# KiCad board random ass keyboard.kicad_pcb (continued)
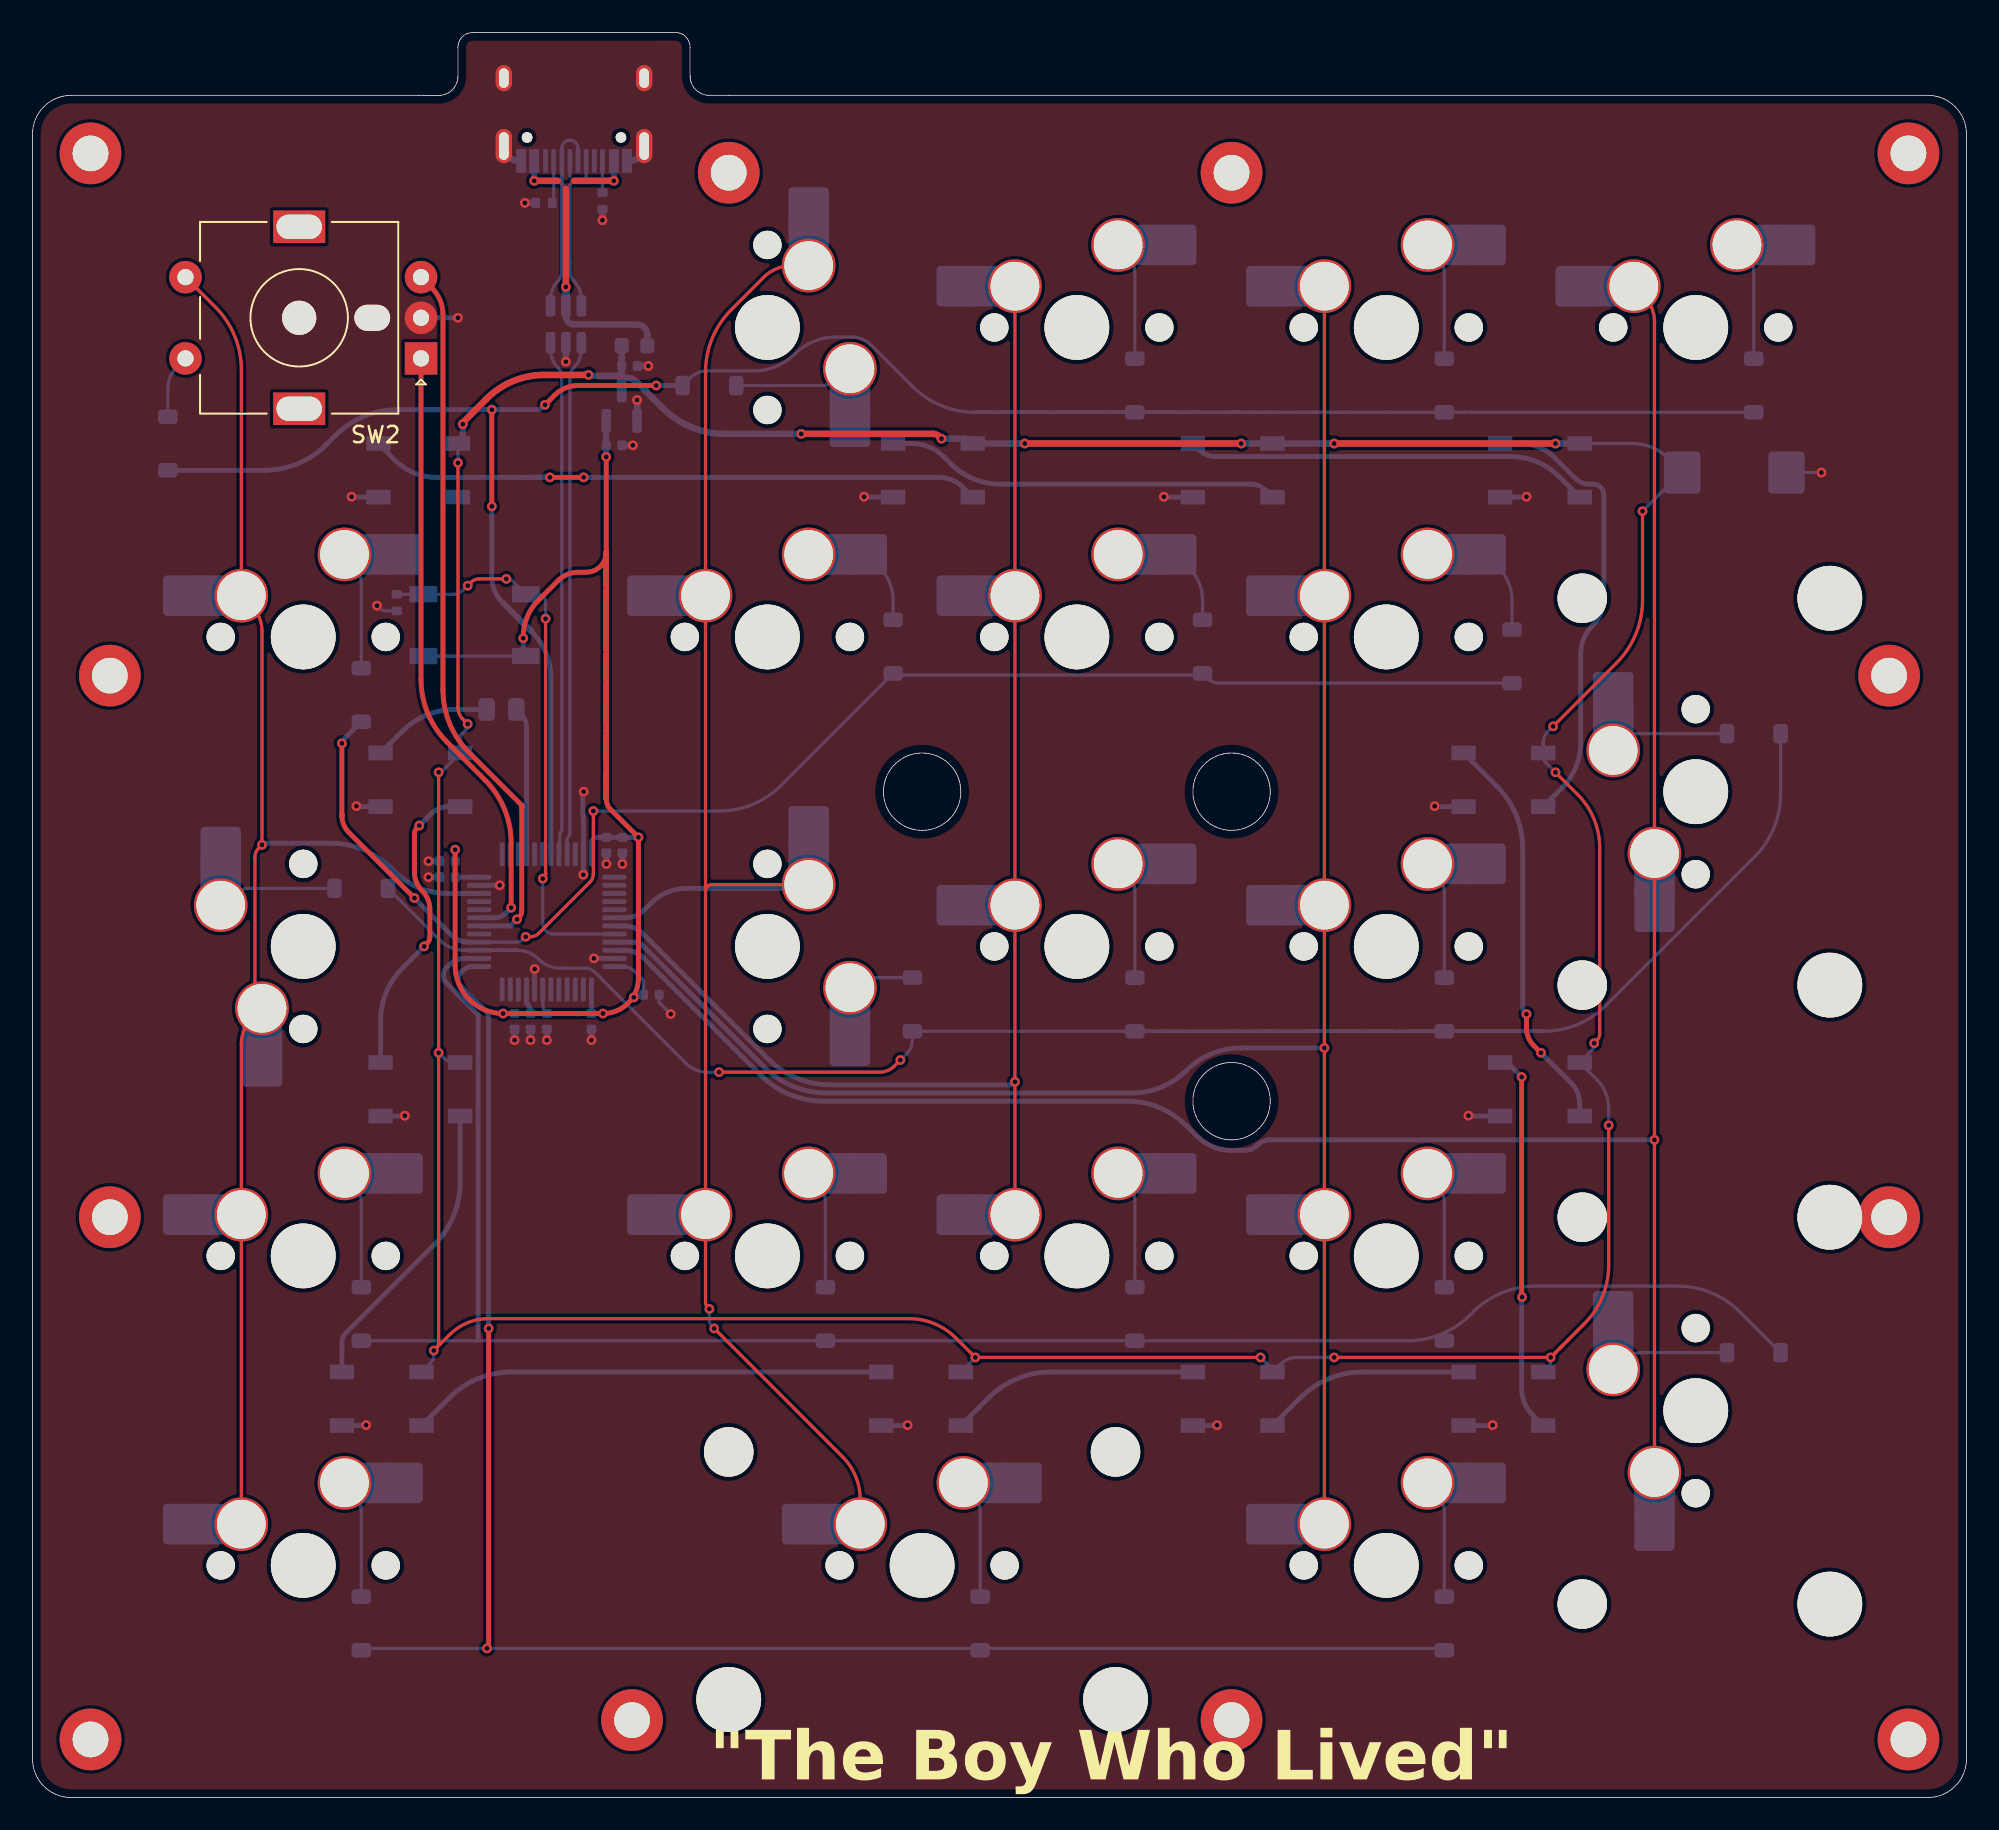
[diagram p0: board, top side]
## Nets
+3.3V: C9.1 C10.2 C11.2 C12.2 C13.2 C14.2 C15.2 C16.2 C17.2 SW1.1 U1.1 U1.9 U1.24 U1.36 U1.48 U3.2
+5V: C1.1 C8.1 D8.1 D18.1 D20.1 D21.1 D26.1 D27.1 D28.1 D29.1 D30.1 D31.1 D32.1 D33.1 F1.2 U3.3
GND: C1.2 C7.2 C8.2 C9.2 C10.1 C11.1 C12.1 C13.1 C14.1 C15.1 C16.1 C17.1 D8.3 D18.3 D20.3 D21.3 D26.3 D27.3 D28.3 D29.3 D30.3 D31.3 D32.3 D33.3 J1.A1 J1.A12 J1.B1 J1.B12 J1.S1 R1.1 R2.2 R3.2 SW2.C U1.8 U1.23 U1.35 U1.47 U3.1 U4.2
VBUS: F1.1 J1.A4 J1.A9 J1.B4 J1.B9 U4.5
/A0: U1.10
/A1: U1.11
/A2: U1.12
/A8: U1.29
/A9: U1.30
/A13: U1.34
/A14: U1.37
/A15: U1.38
/B0: SW2.B U1.18
/B1: SW2.A U1.19
/B2: U1.20
/B3: U1.39
/B4: U1.40
/B5: U1.41
/B10: U1.21
/B12: U1.25
/B13: U1.26
/B14: U1.27
/B15: R4.1 U1.28
/BOOT0: R1.2 SW1.2 U1.44
/C13: U1.2
/C14: U1.3
/C15: U1.4
/col0: S22.1 S23.1 S24.1 S25.1 SW2.S1 U1.22
/col1: S1.1 S5.1 S9.1 S13.1 S17.1 U1.42
/col2: S2.1 S6.1 S10.1 S14.1 U1.43
/col3: S3.1 S7.1 S11.1 S15.1 S19.1 U1.45
/col4: S4.1 S12.1 S16.1 U1.46
/F0: U1.5
/F1: U1.6
/MCU_D+: U1.33 U4.1
/MCU_D-: U1.32 U4.3
/NRST: C7.1 U1.7
/row0: D17.1 D19.1 D25.1 U1.13
/row1: D13.1 D14.1 D15.1 D16.1 D24.1 U1.14
/row2: D9.1 D10.1 D11.1 D12.1 D23.1 U1.15
/row3: D5.1 D6.1 D7.1 D22.1 U1.16
/row4: D1.1 D2.1 D3.1 D4.1 D34.1 U1.31
/USB_D+: J1.A6 J1.B6 U4.6
/USB_D-: J1.A7 J1.B7 U4.4
Net-(D1-A): D1.2 S1.2
Net-(D2-A): D2.2 S2.2
Net-(D3-A): D3.2 S3.2
Net-(D4-A): D4.2 S4.2
Net-(D5-A): D5.2 S5.2
Net-(D6-A): D6.2 S6.2
Net-(D7-A): D7.2 S7.2
Net-(D9-A): D9.2 S9.2
Net-(D10-A): D10.2 S10.2
Net-(D11-A): D11.2 S11.2
Net-(D12-A): D12.2 S12.2
Net-(D13-A): D13.2 S13.2
Net-(D14-A): D14.2 S14.2
Net-(D15-A): D15.2 S15.2
Net-(D16-A): D16.2 S16.2
Net-(D17-A): D17.2 S17.2
Net-(D18-DIN): D8.2 D18.4
Net-(D18-DOUT): D18.2 D20.4
Net-(D19-A): D19.2 S19.2
Net-(D20-DOUT): D20.2 D21.4
Net-(D21-DOUT): D21.2 D26.4
Net-(D22-A): D22.2 S22.2
Net-(D23-A): D23.2 S23.2
Net-(D24-A): D24.2 S24.2
Net-(D25-A): D25.2 S25.2
Net-(D26-DOUT): D26.2 D27.4
Net-(D27-DOUT): D27.2 D33.4
Net-(D28-DIN): D28.4 D29.2
Net-(D28-DOUT): D8.4 D28.2
Net-(D29-DIN): D29.4 D30.2
Net-(D30-DIN): D30.4 R4.2
Net-(D31-DIN): D31.4 D32.2
Net-(D32-DIN): D32.4 D33.2
Net-(D34-A): D34.2 SW2.S2
Net-(J1-CC1): J1.A5 R2.1
Net-(J1-CC2): J1.B5 R3.1

Pads without a net: D31 2; J1 A8 B8; REF** 1; REF**#2 1; REF**#4 1; REF**#5 1; REF**#6 1; REF**#7 1; REF**#8 1; REF**#10 1; REF**#11 1; REF**#12 1; REF**#14 1; REF**#15 1; SW2 MP; U1 17

## Via types
v1: diameter 0.6, hole 0.3, Top to Bottom, 99 vias

## Routing (per net, layer and track width the routed paths; a pad name or vN(x,y) marks a point on that pad's centre or on a via; arc(x,y) is an arc through that point)
+3.3V: length 87.9
  Top w0.3: v1(35.32,82.52) 35.32,76.65 ; 35.32,76.65 35.32,61.46 arc(35.39,61.11) 35.59,60.82 v1(37.3,59.1) 37.3,50.44 arc(36.67,48.9) v1(35.12,48.26) v1(28.97,48.26) arc(26.88,49.12) 26.02,51.21 v1(26.02,58.34) ; 35.32,76.65 arc(34.96,75.78) 34.1,75.42 33.61,75.42 arc(32.93,75.29) 32.35,74.9 31.13,73.68 arc(30.45,72.66) 30.21,71.46 v1(30.21,71.36)
  Bottom w0.2: v1(37.02,49.25) 37.18,49.41 C13.2 37.62,50.29 37.03,50.88 arc(36.73,51.08) 36.37,51.15 U1.48 ; 30.26,70.26 SW1.1
  Bottom w0.3: U1.9 30.41,49.1 arc(30.41,49.06) 30.41,49.03 30.41,49.02 arc(30.42,48.99) 30.42,48.96 30.42,48.96 arc(30.43,48.94) 30.43,48.92 30.43,48.91 arc(30.44,48.9) 30.44,48.88 30.44,48.88 arc(30.45,48.87) 30.45,48.86 30.46,48.85 arc(30.61,48.62) 30.66,48.36 30.66,48.31 arc(30.65,48.27) 30.61,48.26 C15.2 v1(28.97,48.26) ; v1(30.21,71.36) 30.21,70.52 arc(30.23,70.42) 30.29,70.34 arc(30.3,70.29) 30.26,70.26 ; U1.1 C10.2 v1(35.12,48.26) ; U3.2 C9.1 v1(35.32,82.52) ; U1.24 C11.2 C12.2 v1(26.02,58.34) ; U1.36 34.41,58.76 arc(34.51,59) 34.76,59.1 C16.2 C17.2 v1(37.3,59.1) ; 33.57,48.22 arc(33.6,48.23) 33.62,48.24
+5V: length 277.2
  Top w0.2: v1(75.6,27.09) v1(58.04,27.09) 56.85,28.28 arc(55.53,29.16) 53.97,29.47 28.05,29.47 arc(26.77,29.22) 25.69,28.49 v1(24.71,27.51) 24.85,27.66 arc(24.96,27.83) 25,28.02 v1(25,45.84) v1(25,63.1) ; v1(97.03,41.38) 97.03,32.76 arc(96.65,30.82) 95.55,29.17 93.47,27.09 arc(93.46,27.09) 93.46,27.09 v1(93.46,27.09) v1(80.13,27.09) ; v1(96.14,46.44) 96.31,46.61 arc(96.44,46.8) 96.48,47.02 96.48,58.45 arc(96.13,60.23) 95.12,61.74 v1(93.76,63.1) ; v1(26.79,66.08) 26.49,66.38 arc(26.27,66.71) 26.19,67.1 v1(26.19,82.15) ; v1(93.61,65.93) 97.52,69.84 arc(98.7,71.61) 99.12,73.69 v1(99.12,79.18)
  Top w0.4: v1(74.41,83.34) v1(61.08,83.34) ; v1(93.76,83.34) v1(80.13,83.34) ; v1(55.96,83.64) 55.81,83.79 arc(55.65,83.9) 55.45,83.94 v1(47.33,83.94) ; v1(34.23,87.57) 31.5,87.57 arc(29.58,87.18) 27.96,86.1 26.53,84.67 arc(26.5,84.63) 26.49,84.58 v1(26.49,84.53)
  Bottom w0.2: v1(99.12,79.18) 101.48,81.53 arc(101.5,81.55) 101.53,81.56 arc(101.55,81.57) 101.54,81.58 100.67,82.45 arc(99.68,83.11) 98.52,83.34 D27.1 ; v1(25,45.84) 25.34,45.5 arc(25.63,45.31) 25.97,45.24 D29.1 ; v1(93.61,65.93) 93.31,65.63 arc(93.08,65.29) 93.01,64.9 93.01,64.08 arc(93.05,63.87) 93.16,63.7 v1(93.76,63.1) ; v1(26.79,66.08) 26.79,65.95 arc(26.76,65.83) 26.7,65.72 26.31,65.34 arc(26.33,65.3) 26.33,65.25 26.33,64.82 arc(26.23,64.33) 25.96,63.92 25.19,63.15 arc(25.14,63.12) 25.07,63.1 v1(25,63.1) ; D28.1 24.51,26.75 arc(24.65,26.97) 24.71,27.23 v1(24.71,27.51) ; D31.1 v1(26.19,82.15) ; v1(75.6,27.09) 76.28,26.41 arc(76.32,26.35) 76.34,26.27 arc(76.36,26.24) 76.39,26.25 76.78,26.64 arc(77.28,26.97) 77.86,27.09 v1(80.13,27.09) ; D8.1 58.04,27.09 arc(58.04,27.09) v1(58.04,27.09) ; v1(96.14,46.44) 96.14,46.29 arc(96.11,46.15) 96.04,46.03 95.7,45.69 arc(95.51,45.24) 95.7,44.8 96.3,44.2 arc(96.84,43.38) 97.03,42.42 v1(97.03,41.38) ; D20.1 93.31,26.5 arc(93.42,26.67) 93.46,26.87 v1(93.46,27.09)
  Bottom w0.4: 36.27,87.81 36.27,88.11 arc(36.27,88.11) C8.1 arc(36.27,88.12) 36.27,88.12 F1.2 ; 36.27,87.81 36.27,87.21 ; 36.27,87.81 arc(36.18,87.6) 35.97,87.51 ; D31.1 26.34,83.49 arc(26.45,83.66) 26.49,83.85 v1(26.49,84.53) ; 35.97,87.51 34.32,87.51 arc(34.29,87.52) 34.26,87.54 v1(34.23,87.57) ; 35.97,87.51 arc(36.18,87.42) 36.27,87.21 ; 36.27,87.21 36.27,86.61 arc(36.27,86.61) U3.3 ; v1(47.33,83.94) 42.64,83.94 arc(40.55,84.35) 38.79,85.53 37.17,87.15 arc(36.89,87.33) 36.56,87.4 36.2,87.4 ; v1(80.13,83.34) D33.1 v1(74.41,83.34) ; v1(61.08,83.34) 58.09,83.34 arc(57.9,83.38) 57.73,83.49 arc(57.57,83.6) 57.37,83.64 v1(55.96,83.64) ; D27.1 v1(93.76,83.34)
GND: length 50
  Bottom w0.2: v1(21.21,73.36) 21.37,73.2 arc(21.55,73.08) 21.76,73.04 R1.1 ; C13.1 38.58,48.93 v1(39.29,48.22) ; v1(110.13,81.56) C1.2
  Bottom w0.3: v1(19.94,61.02) 19.96,61.01 arc(19.97,61) 19.99,60.99 D30.3 ; v1(69.65,80.07) 69.66,80.06 arc(69.68,80.05) 69.69,80.04 D33.3 ; v1(26.19,91.08) SW2.C ; v1(86.32,61.02) 86.33,61.01 arc(86.35,61) 86.36,60.99 D26.3 ; v1(72.92,22.92) 72.91,22.91 arc(72.9,22.9) 72.88,22.89 D18.3 ; v1(89.89,22.92) 89.88,22.91 arc(89.86,22.9) 89.84,22.89 D20.3 ; D32.3 51.24,80.04 arc(51.22,80.05) 51.21,80.06 v1(51.2,80.07) ; D31.3 19.69,80.04 arc(19.67,80.05) 19.66,80.06 v1(19.65,80.07) ; v1(20.54,22.92) 20.52,22.91 arc(20.51,22.9) 20.49,22.89 D28.3 ; v1(34.56,51.65) U1.47 ; v1(91.97,80.07) 91.96,80.06 arc(91.95,80.05) 91.93,80.04 D27.3 ; v1(33.91,56.8) U1.35 33.91,60.42 33.88,60.45 33.88,61.86 v1(33.93,61.91) ; D29.3 22.87,41.94 arc(22.89,41.95) 22.91,41.96 v1(22.92,41.97) ; v1(53.88,22.92) 53.86,22.91 arc(53.85,22.9) 53.83,22.89 D8.3 ; v1(28.76,56.15) U1.23 ; v1(30.91,51) U1.8 ; v1(88.4,41.97) 88.42,41.96 arc(88.43,41.95) 88.45,41.94 D21.3
  Bottom w0.4: v1(24.38,56.65) C11.1 ; J1.A1 29.93,100.74 arc(29.29,101.01) J1.S1 ; v1(31.66,46.62) C7.2 ; v1(34.41,46.62) C10.1 ; U3.1 37.22,86.02 arc(37.22,86.02) v1(37.22,86.02) ; v1(36.96,83.23) C9.2 ; v1(36.32,57.46) C17.1 ; v1(35.09,97.09) R3.2 ; v1(35.34,57.46) C16.1 ; U4.2 32.84,88.38 v1(32.84,88.38) ; v1(30.31,98.16) R2.2 ; J1.A12 36.74,100.74 arc(37.39,101.01) J1.S1 ; v1(30.66,46.62) C14.1 ; v1(24.38,57.63) C12.1 ; v1(37.91,88.12) C8.2 ; v1(29.68,46.62) C15.1
VBUS: length 20.5
  Top w0.4: v1(32.84,92.98) 32.84,99.01 ; v1(35.79,99.51) 33.34,99.51 ; v1(30.89,99.51) 32.34,99.51
  Bottom w0.4: v1(35.79,99.51) J1.A9 ; F1.1 37.85,90.03 arc(37.66,90.48) 37.21,90.67 33.34,90.68 arc(32.98,90.83) 32.84,91.18 U4.5 32.84,92.19 arc(32.84,92.19) 32.84,92.19 v1(32.84,92.98) ; v1(30.89,99.51) J1.A4
/B0: length 44.4
  Top w0.3: SW2.B 24.59,92.91 arc(25.09,92.16) 25.27,91.28 25.27,68.18 arc(25.68,66.1) 26.86,64.33 30.1,61.09 arc(30.12,61.08) 30.12,61.06 30.12,54.55 arc(30.08,54.36) 29.97,54.2 v1(29.83,54.05)
  Bottom w0.3: v1(29.83,54.05) 29.42,53.65 arc(29.42,53.65) 29.42,53.65 U1.18
/B1: length 37.8
  Top w0.3: SW2.A 23.92,68.82 arc(24.33,66.74) 25.51,64.98 27.87,62.61 arc(29.05,60.85) 29.47,58.77 v1(29.47,54.77)
  Bottom w0.3: U1.19 28.41,54.15 arc(28.82,54.23) 29.16,54.46 v1(29.47,54.77)
/B15: length 9.1
  Bottom w0.3: R4.1 30.1,66.66 arc(30.33,66.31) 30.41,65.9 U1.28
/BOOT0: length 35.1
  Top w0.2: v1(29.17,75.01) 27.51,75.01 arc(27.23,74.96) 27,74.8 v1(26.79,74.59) ; v1(31.59,72.56) 31.59,56.86 arc(31.56,56.75) 31.5,56.65 v1(31.41,56.56)
  Bottom w0.2: SW1.2 29.5,74.92 arc(29.41,74.99) 29.29,75.01 v1(29.17,75.01) ; U1.44 32.09,53.15 arc(31.61,53.35) 31.41,53.83 v1(31.41,56.56) ; R1.2 22.43,74.06 arc(22.43,74.06) 22.43,74.06 25.89,74.06 arc(26.23,74.13) 26.53,74.33 v1(26.79,74.59) ; v1(31.59,72.56) 31.59,73.59 arc(31.55,73.77) 31.45,73.92 arc(31.29,74.03) 31.11,74.06 30.44,74.06 30.52,74.06 arc(30.68,74.03) 30.8,73.95
/col0: length 93.2
  Top w0.2: S25.1 12.86,46.41 arc(13.02,47.24) 13.49,47.94 arc(13.96,48.65) 14.13,49.48 13.91,49.69 arc(13.75,49.94) 13.69,50.22 13.69,57.89 arc(13.75,58.18) 13.91,58.42 v1(14.13,58.64) 14.13,71.81 arc(13.96,72.64) 13.49,73.34 arc(13.02,74.05) 12.86,74.88 12.86,87.89 arc(12.44,89.97) 11.26,91.74 SW2.S1
  Bottom w0.3: U1.22 25.56,55.65 arc(23.77,56.01) 22.25,57.02 22.07,57.2 arc(20.36,58.34) 18.34,58.74 14.31,58.74 arc(14.24,58.73) 14.18,58.69 v1(14.13,58.64)
/col1: length 104
  Top w0.2: 41.43,55.79 S13.1 41.43,30.48 arc(41.46,30.33) 41.55,30.19 v1(41.67,30.07) ; 41.43,55.79 41.43,56.13 ; 41.43,55.79 arc(41.46,55.95) 41.55,56.08 ; S17.1 50.96,18.36 arc(50.68,19.77) 49.88,20.96 v1(41.97,28.87) ; 41.43,56.13 41.43,87.74 arc(41.85,89.82) 43.03,91.59 45.01,93.57 arc(45.82,94.11) 46.76,94.3 S1.1 ; 41.43,56.13 arc(41.48,56.06) 41.55,56.08 ; S9.1 41.84,56.2 arc(41.68,56.17) 41.55,56.08
  Bottom w0.2: v1(41.67,30.07) 41.67,29.38 arc(41.71,29.19) 41.82,29.02 v1(41.97,28.87)
  Bottom w0.3: S9.1 47.66,56.08 arc(47.53,55.99) 47.38,55.96 40.27,55.96 arc(39.09,55.72) 38.09,55.05 37.66,54.63 arc(37.13,54.27) 36.5,54.15 U1.42
/col2: length 85.6
  Top w0.2: S2.1 v1(60.48,44.05) S14.1
  Bottom w0.3: U1.43 36.46,53.65 arc(37.05,53.53) 37.55,53.2 45.29,45.46 arc(47.05,44.28) 49.14,43.87 60.16,43.87 arc(60.28,43.89) 60.39,43.96 v1(60.48,44.05)
/col3: length 124.2
  Top w0.2: S3.1 v1(79.53,46.14) S19.1
  Bottom w0.3: U1.45 36.94,52.65 arc(36.94,52.65) 36.94,52.65 arc(36.94,52.65) 36.94,52.65 37.15,52.65 arc(37.34,52.61) 37.5,52.5 45.05,44.96 arc(46.81,43.78) 48.9,43.36 67.69,43.36 arc(69.5,43.72) 71.04,44.75 arc(72.57,45.78) 74.38,46.14 v1(79.53,46.14)
/col4: length 142.1
  Top w0.2: S16.1 v1(99.85,40.48) S12.1 99.85,90.86 arc(99.69,91.69) 99.22,92.39 S4.1
  Bottom w0.3: U1.46 36.49,52.15 arc(37.1,52.03) 37.61,51.68 44.84,44.46 arc(46.61,43.28) 48.69,42.86 67.38,42.86 arc(69.37,42.47) 71.05,41.35 71.68,40.72 arc(72.66,40.06) 73.82,39.83 74.61,39.83 arc(75.04,39.91) 75.4,40.16 arc(75.76,40.4) 76.19,40.48 v1(99.85,40.48)
/MCU_D+: length 31.7
  Bottom w0.2: U4.1 33.79,89.12 arc(33.67,88.53) 33.34,88.03 arc(33.15,87.76) 33.09,87.43 33.09,81.87 33.09,59.36 arc(33.06,59.25) 33,59.15 arc(32.94,59.05) 32.91,58.94 U1.33
/MCU_D-: length 31.7
  Bottom w0.2: U1.32 32.44,58.09 arc(32.46,58.11) 32.46,58.15 32.46,59.27 arc(32.48,59.36) 32.52,59.43 arc(32.57,59.5) 32.59,59.58 32.59,81.87 32.59,87.43 arc(32.52,87.76) 32.34,88.03 arc(32,88.53) 31.89,89.12 U4.3
/NRST: length 1.5
  Bottom w0.2: U1.7 31.41,48.86 arc(31.48,48.53) C7.1
/row0: length 110.5
  Top w0.3: v1(28.08,28.87) 28.08,9.35 arc(28.07,9.29) 28.03,9.23 v1(27.98,9.18)
  Bottom w0.2: D25.1 20.3,9.12 arc(20.36,9.16) 20.43,9.18 v1(27.98,9.18) 58.15,9.18 arc(58.22,9.16) 58.28,9.12 58.31,9.09 arc(58.34,9.08) 58.37,9.09 58.4,9.12 arc(58.46,9.16) 58.53,9.18 86.72,9.18 arc(86.8,9.16) 86.86,9.12 D19.1
  Bottom w0.3: U1.13 27.12,51.15 arc(26.77,51.08) 26.47,50.88 26.36,50.77 arc(26.24,50.58) 26.19,50.36 arc(26.24,50.14) 26.36,49.95 27.62,48.7 arc(27.62,48.69) 27.63,48.69 arc(27.64,48.69) 27.65,48.69 27.86,48.47 arc(28.02,48.22) 28.08,47.94 v1(28.08,28.87)
/row1: length 115.7
  Bottom w0.2: D24.1 84.66,28.11 arc(86.75,28.53) 88.51,29.71 88.69,29.88 arc(90.45,31.06) 92.53,31.48 101.27,31.48 arc(103.35,31.06) 105.12,29.88 D16.1
  Bottom w0.3: U1.14 26.58,51.65 arc(26.09,51.55) 25.68,51.27 25.51,51.11 arc(25.36,50.88) 25.3,50.6 arc(25.36,50.33) 25.51,50.09 27.41,48.2 arc(27.42,48.19) 27.42,48.19 arc(27.43,48.19) 27.43,48.18 27.43,28.2
/row2: length 102
  Top w0.2: v1(42.27,44.65) 52.16,44.65 arc(52.64,44.75) 53.06,45.02 v1(53.43,45.39)
  Bottom w0.2: D12.1 107.62,61.76 arc(107.2,59.68) 106.02,57.91 96.87,48.76 arc(95.11,47.58) 93.02,47.16 67.87,47.16 arc(67.87,47.17) D10.1 arc(67.87,47.17) 67.86,47.17 54.69,47.17 arc(54.32,47.02) 54.17,46.65 arc(54.08,46.18) 53.81,45.77 v1(53.43,45.39) ; D23.1 25.06,52.79 arc(25.77,52.32) 26.6,52.15 29.83,52.15 arc(30.55,52.01) 31.16,51.6 arc(31.77,51.19) 32.49,51.05 34.02,51.05 arc(34.35,50.98) 34.62,50.8 40.24,45.18 arc(40.83,44.79) 41.52,44.65 v1(42.27,44.65)
/row3: length 90.9
  Top w0.2: v1(30.36,52.98) 30.66,52.98 arc(30.93,53.04) 31.17,53.19 34.32,56.35 arc(34.47,56.58) 34.53,56.85 v1(34.53,60.72)
  Top w0.3: v1(23.51,55.36) 19.47,59.41 arc(19.16,59.87) 19.05,60.42 v1(19.05,64.89)
  Bottom w0.2: v1(34.53,60.72) 42.26,60.72 arc(44.34,61.14) 46.11,62.32 52.96,69.17 arc(52.98,69.18) 53.01,69.17 53.03,69.14 arc(53.09,69.11) 53.15,69.09 71.86,69.09 arc(71.93,69.11) 71.98,69.14 arc(72.03,69.16) 72.08,69.14 72.33,68.89 arc(72.66,68.67) 73.05,68.6 D7.1 ; 26.88,52.65 29.79,52.65 arc(30.01,52.69) 30.19,52.82 v1(30.36,52.98)
  Bottom w0.3: D22.1 19.1,65.07 arc(19.06,65.02) 19.05,64.96 v1(19.05,64.89) ; v1(23.51,55.36) 25.78,53.1 arc(26.28,52.77) 26.86,52.65 26.88,52.65
/row4: length 130.3
  Top w0.3: v1(28.28,79.47) v1(28.28,85.43) ; v1(38.4,86.92) 33.58,86.92 arc(32.81,86.76) 32.15,86.32 v1(31.55,85.72)
  Bottom w0.2: D4.1 58.02,85.27 arc(55.94,85.68) 54.17,86.86 51.62,89.41 arc(51.08,89.77) 50.44,89.9 49.44,89.9 arc(48.08,89.63) 46.93,88.86 arc(45.78,88.09) 44.42,87.82 41.56,87.82 arc(40.97,87.7) 40.47,87.37 D1.1
  Bottom w0.3: D34.1 14.25,81.69 arc(16.34,82.11) 18.1,83.29 18.65,83.83 arc(20.41,85.01) 22.49,85.43 v1(28.28,85.43) 31.04,85.43 arc(31.24,85.47) 31.4,85.58 v1(31.55,85.72) ; U1.31 31.91,68.93 arc(31.61,70.46) 30.74,71.75 28.92,73.57 arc(28.45,74.29) 28.28,75.13 v1(28.28,79.47) ; D1.1 v1(38.4,86.92)
/USB_D+: length 10.5
  Bottom w0.2: 33.34,99.51 33.84,99.51 arc(34.01,99.59) 34.09,99.76 J1.B6 ; 33.09,99.26 33.09,99.26 arc(33.09,99.25) 33.09,99.24 33.09,94.49 arc(33.09,94.48) 33.09,94.48 arc(33.09,94.48) 33.09,94.48 33.09,93.94 arc(33.15,93.61) 33.34,93.33 arc(33.67,92.83) 33.79,92.25 U4.6 ; J1.A6 33.09,99.76
/USB_D-: length 12.2
  Bottom w0.2: U4.4 31.89,92.25 arc(32,92.83) 32.34,93.33 arc(32.52,93.61) 32.59,93.94 J1.B7 32.59,101.51 arc(32.73,101.87) 33.09,102.01 arc(33.44,101.87) 33.59,101.51 J1.A7
Net-(D1-A): length 7.4
  Bottom w0.2: D1.2 48.56,86.92 arc(49.24,87.05) 49.81,87.43 S1.2
Net-(D2-A): length 7.4
  Bottom w0.2: S2.2 67.35,95.05 arc(67.73,94.48) 67.87,93.8 D2.2
Net-(D3-A): length 7.4
  Bottom w0.2: D3.2 86.92,93.8 arc(86.78,94.48) 86.4,95.05 S3.2
Net-(D4-A): length 7.4
  Bottom w0.2: D4.2 105.97,93.8 arc(105.83,94.48) 105.45,95.05 S4.2
Net-(D5-A): length 4.6
  Bottom w0.2: D5.2 52.98,73.7 arc(52.77,74.78) 52.16,75.69 S5.2
Net-(D6-A): length 4.6
  Bottom w0.2: S6.2 71.21,75.69 arc(71.82,74.78) 72.03,73.7 D6.2
Net-(D7-A): length 5.2
  Bottom w0.2: D7.2 91.08,73.7 arc(90.87,74.78) 90.26,75.69 S7.2
Net-(D9-A): length 4.8
  Bottom w0.2: D9.2 51.38,50.47 arc(50.98,50.39) 50.63,50.16 50.63,50.16 arc(50.63,50.16) 50.63,50.16 arc(50.63,50.15) 50.63,50.15 50.63,50.15 arc(50.63,50.15) 50.63,50.15 arc(50.63,50.15) 50.63,50.15 arc(50.63,50.15) 50.63,50.15 arc(50.63,50.15) 50.62,50.15 arc(50.62,50.15) 50.62,50.15 arc(50.62,50.15) 50.62,50.15 arc(50.62,50.15) 50.62,50.15 arc(50.62,50.14) 50.62,50.14 arc(50.62,50.14) 50.62,50.14 arc(50.62,50.14) 50.62,50.14 arc(50.62,50.14) 50.62,50.14 arc(50.62,50.14) 50.62,50.14 arc(50.62,50.14) 50.62,50.14 50.61,50.14 arc(50.61,50.14) 50.61,50.14 50.61,50.14 arc(50.61,50.13) 50.61,50.13 arc(50.61,50.13) 50.61,50.13 50.61,50.13 arc(50.61,50.13) 50.61,50.13 50.61,50.13 arc(50.6,50.13) 50.6,50.13 50.6,50.13 arc(50.6,50.13) 50.6,50.13 50.59,50.11 arc(50.59,50.11) 50.59,50.11 arc(50.59,50.11) 50.59,50.11 arc(50.59,50.11) 50.59,50.11 50.59,50.11 arc(50.59,50.11) 50.58,50.11 arc(50.58,50.11) 50.58,50.11 arc(50.58,50.11) 50.58,50.11 50.58,50.1 arc(50.58,50.1) 50.58,50.1 arc(50.58,50.1) 50.58,50.1 50.58,50.1 arc(50.58,50.1) 50.58,50.1 arc(50.58,50.1) 50.58,50.1 arc(50.57,50.1) 50.57,50.1 arc(50.57,50.1) 50.57,50.1 arc(50.57,50.1) 50.57,50.1 arc(50.57,50.09) 50.57,50.09 50.57,50.09 arc(50.57,50.09) 50.57,50.09 50.57,50.09 arc(50.57,50.09) 50.57,50.09 arc(50.57,50.09) 50.57,50.09 50.56,50.09 arc(50.56,50.09) 50.56,50.08 50.55,50.07 arc(50.55,50.07) 50.54,50.07 arc(50.54,50.07) 50.54,50.07 arc(50.54,50.07) 50.54,50.07 arc(50.54,50.07) 50.54,50.07 arc(50.54,50.06) 50.54,50.06 50.54,50.06 arc(50.54,50.06) 50.54,50.06 50.53,50.06 arc(50.53,50.06) 50.53,50.06 50.52,50.05 arc(50.52,50.04) 50.52,50.04 50.51,50.04 arc(50.51,50.04) 50.51,50.04 arc(50.51,50.04) 50.51,50.04 50.51,50.03 arc(50.51,50.03) 50.51,50.03 arc(50.51,50.03) 50.51,50.03 arc(50.51,50.03) 50.51,50.03 50.5,50.03 arc(50.5,50.02) 50.5,50.02 50.5,50.02 arc(50.5,50.02) 50.5,50.02 arc(50.5,50.02) 50.49,50.02 50.49,50.01 arc(50.49,50.01) 50.49,50.01 50.49,50.01 arc(50.48,50.01) 50.48,50.01 50.47,49.99 arc(50.47,49.99) 50.47,49.99 50.47,49.99 arc(50.47,49.99) 50.46,49.99 50.46,49.99 arc(50.46,49.99) 50.46,49.99 50.46,49.98 arc(50.46,49.98) 50.46,49.98 50.46,49.98 arc(50.45,49.98) 50.45,49.98 arc(50.45,49.98) 50.45,49.98 50.45,49.97 arc(50.45,49.97) 50.45,49.97 50.44,49.97 arc(50.44,49.97) 50.44,49.97 50.44,49.97 arc(50.44,49.96) 50.44,49.96 50.44,49.96 arc(50.44,49.96) 50.44,49.96 50.44,49.96 arc(50.44,49.96) 50.44,49.96 arc(50.43,49.96) 50.43,49.96 50.43,49.96 arc(50.43,49.95) 50.43,49.95 50.43,49.95 arc(50.43,49.95) 50.43,49.95 50.42,49.94 arc(50.42,49.94) 50.42,49.94 arc(50.42,49.94) 50.42,49.94 50.39,49.92 arc(50.39,49.92) 50.39,49.92 50.38,49.9 arc(50.38,49.9) 50.38,49.9 50.37,49.9 arc(50.37,49.9) 50.37,49.9 50.37,49.89 arc(50.37,49.89) 50.37,49.89 arc(50.37,49.89) 50.37,49.89 arc(50.37,49.89) 50.37,49.89 50.36,49.89 arc(50.36,49.89) 50.36,49.89 arc(50.36,49.89) 50.36,49.89 50.36,49.88 arc(50.36,49.88) 50.36,49.88 50.36,49.88 arc(50.36,49.88) 50.36,49.88 50.36,49.88 arc(50.36,49.88) 50.36,49.88 S9.2 arc(50.32,49.85) 50.32,49.85 arc(50.32,49.84) 50.32,49.84 50.32,49.84 arc(50.32,49.84) 50.32,49.84 arc(50.32,49.84) 50.32,49.84 50.3,49.82 arc(50.3,49.82) 50.3,49.82 50.29,49.82 arc(50.29,49.82) 50.29,49.81 50.25,49.77 arc(50.25,49.77) 50.24,49.77 50.23,49.75 arc(50.23,49.75) 50.23,49.75 50.23,49.75 arc(50.23,49.75) 50.23,49.75 arc(50.22,49.75) 50.22,49.75 50.22,49.74 arc(50.22,49.74) 50.22,49.74 50.21,49.73 arc(50.21,49.73) 50.21,49.73 50.21,49.73 arc(50.21,49.73) 50.21,49.73 arc(50.21,49.73) 50.21,49.73 50.2,49.72 arc(50.2,49.72) 50.2,49.72 arc(50.2,49.72) 50.2,49.72 50.19,49.71 arc(50.19,49.71) 50.19,49.71 arc(50.19,49.71) 50.19,49.71 arc(50.19,49.71) 50.19,49.71 50.19,49.71 arc(50.19,49.71) 50.19,49.71 50.18,49.71 arc(50.18,49.71) 50.18,49.71 arc(50.18,49.71) 50.18,49.71 arc(50.18,49.7) 50.18,49.7 50.18,49.7 arc(50.18,49.7) 50.17,49.7 50.16,49.69 arc(50.16,49.69) 50.16,49.69 50.15,49.67 arc(50.15,49.67) 50.15,49.67 50.14,49.67 arc(50.14,49.67) 50.14,49.67 50.14,49.67 arc(50.14,49.66) 50.14,49.66 50.14,49.66 arc(50.14,49.66) 50.14,49.66 arc(50.14,49.66) 50.14,49.66 arc(50.14,49.66) 50.14,49.66 50.14,49.66 arc(50.13,49.66) 50.13,49.66 arc(50.13,49.66) 50.13,49.66 50.13,49.65 arc(50.13,49.65) 50.13,49.65 50.12,49.65 arc(50.12,49.65) 50.12,49.65 50.12,49.64 arc(50.12,49.64) 50.12,49.64 arc(50.12,49.64) 50.12,49.64 50.12,49.64 arc(50.12,49.64) 50.12,49.64 arc(50.12,49.64) 50.11,49.64 50.11,49.63 arc(50.11,49.63) 50.11,49.63 50.1,49.63 arc(50.1,49.63) 50.1,49.63 arc(50.1,49.63) 50.1,49.63 50.09,49.61 arc(50.09,49.61) 50.09,49.61 arc(50.09,49.61) 50.09,49.61 50.09,49.61 arc(50.09,49.61) 50.08,49.61 50.08,49.61 arc(50.08,49.61) 50.08,49.61 arc(50.08,49.6) 50.08,49.6 arc(50.08,49.6) 50.08,49.6 50.08,49.6 arc(50.08,49.6) 50.08,49.6 arc(50.07,49.6) 50.07,49.6 50.07,49.6 arc(50.07,49.59) 50.07,49.59 50.05,49.58 arc(50.05,49.58) 50.05,49.58 50.05,49.57 arc(50.05,49.57) 50.05,49.57 arc(50.05,49.57) 50.05,49.57 50.05,49.57 arc(50.05,49.57) 50.05,49.57 49.96,49.48 arc(49.96,49.48) 49.96,49.48 49.96,49.48 arc(49.95,49.48) 49.95,49.48 49.93,49.45 arc(49.93,49.45) 49.92,49.45 49.92,49.44 arc(49.92,49.44) 49.92,49.44 49.92,49.44 arc(49.92,49.44) 49.91,49.44 49.89,49.42 arc(49.89,49.41) 49.89,49.41 49.89,49.41 arc(49.89,49.41) 49.89,49.41 49.89,49.41 arc(49.89,49.41) 49.89,49.41 49.88,49.41 arc(49.88,49.41) 49.88,49.41 49.88,49.4 arc(49.88,49.4) 49.88,49.4 arc(49.88,49.4) 49.88,49.4 49.87,49.39 arc(49.87,49.39) 49.86,49.39 arc(49.86,49.39) 49.86,49.39 arc(49.86,49.39) 49.86,49.39 arc(49.86,49.39) 49.86,49.39 49.85,49.37 arc(49.85,49.37) 49.85,49.37 arc(49.85,49.37) 49.85,49.37 49.85,49.37 arc(49.84,49.37) 49.84,49.37 arc(49.84,49.37) 49.84,49.37 arc(49.84,49.37) 49.84,49.37 49.84,49.36 arc(49.84,49.36) 49.84,49.36 49.83,49.36 arc(49.83,49.35) 49.83,49.35 49.83,49.35 arc(49.83,49.35) 49.83,49.35 49.83,49.35 arc(49.82,49.35) 49.82,49.35 49.82,49.35 arc(49.82,49.35) 49.82,49.35 arc(49.82,49.34) 49.82,49.34 arc(49.82,49.34) 49.82,49.34 arc(49.82,49.34) 49.82,49.34 arc(49.82,49.34) 49.82,49.34 49.82,49.34 arc(49.81,49.34) 49.81,49.34 arc(49.81,49.34) 49.81,49.34 49.81,49.34 arc(49.81,49.34) 49.81,49.34 49.81,49.33
Net-(D10-A): length 7.4
  Bottom w0.2: S10.2 67.35,56.95 arc(67.73,56.38) 67.87,55.7 D10.2
Net-(D11-A): length 7.4
  Bottom w0.2: D11.2 86.92,55.7 arc(86.78,56.38) 86.4,56.95 S11.2
Net-(D12-A): length 7.3
  Bottom w0.2: D12.2 98.08,65.48 S12.2
Net-(D13-A): length 7.4
  Bottom w0.2: D13.2 48.82,36.66 arc(48.68,37.33) 48.3,37.9 S13.2
Net-(D14-A): length 7.4
  Bottom w0.2: D14.2 67.87,36.65 arc(67.73,37.33) 67.35,37.9 S14.2
Net-(D15-A): length 7.4
  Bottom w0.2: S15.2 86.4,37.9 arc(86.78,37.33) 86.92,36.65 D15.2
Net-(D16-A): length 7.4
  Bottom w0.2: S16.2 97.83,26.87 arc(98.4,27.25) 99.07,27.38 D16.2
Net-(D17-A): length 7.4
  Bottom w0.2: S17.2 57.83,18.85 arc(58.21,18.28) 58.34,17.6 D17.2
Net-(D18-DIN): length 15.4
  Bottom w0.3: D18.4 62.7,26.19 arc(60.62,25.78) 58.86,24.6 D8.2
Net-(D18-DOUT): length 12.9
  Bottom w0.3: D20.4 81.89,26.19 arc(79.81,25.78) 78.04,24.6 D18.2
Net-(D19-A): length 7.4
  Bottom w0.2: D19.2 86.92,17.6 arc(86.78,18.28) 86.4,18.85 S19.2
Net-(D20-DOUT): length 23.6
  Top w0.3: v1(91.68,44.35) 91.68,30.85 arc(91.68,30.83) 91.69,30.82 v1(91.7,30.81)
  Bottom w0.3: v1(91.68,44.35) 90.94,45.09 arc(90.77,45.2) 90.57,45.24 D21.4 ; v1(91.7,30.81) 91.69,30.79 arc(91.68,30.78) 91.68,30.77 91.68,25.16 arc(91.85,24.29) 92.34,23.56 D20.2
Net-(D21-DOUT): length 24.9
  Top w0.3: v1(92.87,45.84) 92.42,46.29 arc(92.09,46.78) 91.97,47.36 v1(91.97,48.22)
  Bottom w0.3: v1(91.97,48.22) 91.86,48.34 arc(91.77,48.46) 91.74,48.61 91.74,58.4 arc(91.33,60.48) 90.15,62.25 D26.4 ; D21.2 95.25,42.7 arc(95.11,43.4) 94.71,43.99 v1(92.87,45.84)
Net-(D22-A): length 7.4
  Bottom w0.2: D22.2 20.24,74.76 arc(20.11,75.43) 19.72,76 S22.2
Net-(D23-A): length 7.4
  Bottom w0.2: D23.2 13.35,55.96 arc(12.68,55.83) 12.1,55.44 S23.2
Net-(D24-A): length 7.4
  Bottom w0.2: S24.2 19.72,37.9 arc(20.11,37.33) 20.24,36.66 D24.2
Net-(D25-A): length 7.4
  Bottom w0.2: S25.2 19.72,18.85 arc(20.11,18.28) 20.24,17.61 D25.2
Net-(D26-DOUT): length 28
  Bottom w0.3: D26.2 94.16,62.15 arc(95.01,63.42) 95.31,64.93 95.31,70.4 arc(95.5,71.33) 96.02,72.12 arc(96.55,72.91) 96.74,73.84 96.74,80.19 arc(96.69,80.44) 96.54,80.65 arc(96.33,80.79) 96.08,80.84 95.84,80.84 arc(95.38,80.94) 94.98,81.2 93.72,82.46 arc(92.74,83.11) 91.59,83.34 D27.4
Net-(D27-DOUT): length 24.9
  Bottom w0.3: D27.2 94,81.29 arc(92.62,82.22) 90.98,82.54 72.8,82.54 arc(72.28,82.65) 71.84,82.94 D33.4
Net-(D28-DIN): length 18.5
  Bottom w0.3: D29.2 26.33,37.88 arc(25.92,35.8) 24.74,34.03 19.27,28.56 arc(19.11,28.32) 19.05,28.04 D28.4
Net-(D28-DOUT): length 29.4
  Bottom w0.3: D8.4 29.5,26.19 arc(27.42,25.78) 25.66,24.6 D28.2
Net-(D29-DIN): length 18.9
  Top w0.3: v1(24.11,52.39) 24.29,52.56 arc(24.42,52.76) 24.46,52.99 24.46,54.67 arc(24.34,55.29) 23.99,55.81 arc(23.64,56.34) 23.51,56.96 23.51,59.32 arc(23.55,59.52) 23.66,59.68 v1(23.81,59.83)
  Bottom w0.3: v1(24.11,52.39) 22.77,51.05 arc(21.78,49.57) 21.43,47.81 D29.4 ; D30.2 25.65,60.99 arc(25.03,60.87) 24.5,60.51 v1(23.81,59.83)
Net-(D30-DIN): length 7.4
  Bottom w0.3: D30.4 22.77,65.63 arc(24.25,66.62) 26,66.97 R4.2
Net-(D31-DIN): length 37.7
  Top w0.3: v1(33.93,81.26) v1(31.85,81.26)
  Bottom w0.3: D31.4 22.34,82.3 arc(23.49,81.53) 24.85,81.26 v1(31.85,81.26) ; v1(33.93,81.26) 55.81,81.26 arc(56.6,81.1) 57.27,80.65 D32.2
Net-(D32-DIN): length 24.4
  Bottom w0.3: D32.4 54.14,83.34 arc(55.2,83.13) 56.11,82.53 56.54,82.09 arc(57.92,81.17) 59.56,80.84 74.97,80.84 arc(75.49,80.74) 75.94,80.44 D33.2
Net-(D34-A): length 4
  Bottom w0.2: D34.2 8.33,86.73 arc(8.48,87.44) 8.88,88.04 SW2.S2
Net-(J1-CC1): length 2.6
  Bottom w0.2: J1.A5 32.09,98.36 arc(32.07,98.25) R2.1
Net-(J1-CC2): length 2
  Bottom w0.2: R3.1 J1.B5

## Copper pours and planes (outline as drawn; the poured copper is in the pictures)
GND on Top, Bottom: -133.35,116.68 -127.39,-7.14 257.77,-8.93 254.79,113.11 -107.15,119.66
VBUS on Top: 33.38,99.71 33.41,99.7 33.45,99.68 33.48,99.65 33.5,99.62 33.52,99.59 33.53,99.55 33.54,99.51 33.53,99.47 33.52,99.44 33.5,99.4 33.48,99.37 33.45,99.35 33.41,99.33 33.38,99.32 33.34,99.31 33.29,99.31 33.2,99.28 33.12,99.23 33.07,99.15 33.04,99.06 33.04,99.01 33.02,98.94 32.98,98.87 32.91,98.83 32.84,98.81 32.76,98.83 32.7,98.87 32.65,98.94 32.64,99.01 32.64,99.06 32.61,99.15 32.55,99.23 32.48,99.28 32.38,99.31 32.34,99.31 32.3,99.32 32.26,99.33 32.23,99.35 32.2,99.37 32.17,99.4 32.15,99.44 32.14,99.47 32.14,99.51 32.14,99.55 32.15,99.59 32.17,99.62 32.2,99.65 32.23,99.68 32.26,99.7 32.3,99.71 32.34,99.71 32.37,99.71 33.34,99.71
(no net) on In1.Cu, In2.Cu: 1.19,106.56 0,102.99 0,0 119.06,0 119.06,104.77 41.67,105.37 40.48,108.94 25.6,108.94

Small or netless copper shapes (teardrops, artwork), in the pictures only: 1 on Bottom

## Text on the board
B.Silkscreen: JLCJLCJLCJLC | V1 - made by Eyal Birger
Top: {dblquote}Always the tone of surprise{dblquote}
F.Silkscreen: {dblquote}The Boy Who Lived{dblquote}
